# Altium PCB FC11.PcbDoc (part 1 of 2) (continued)
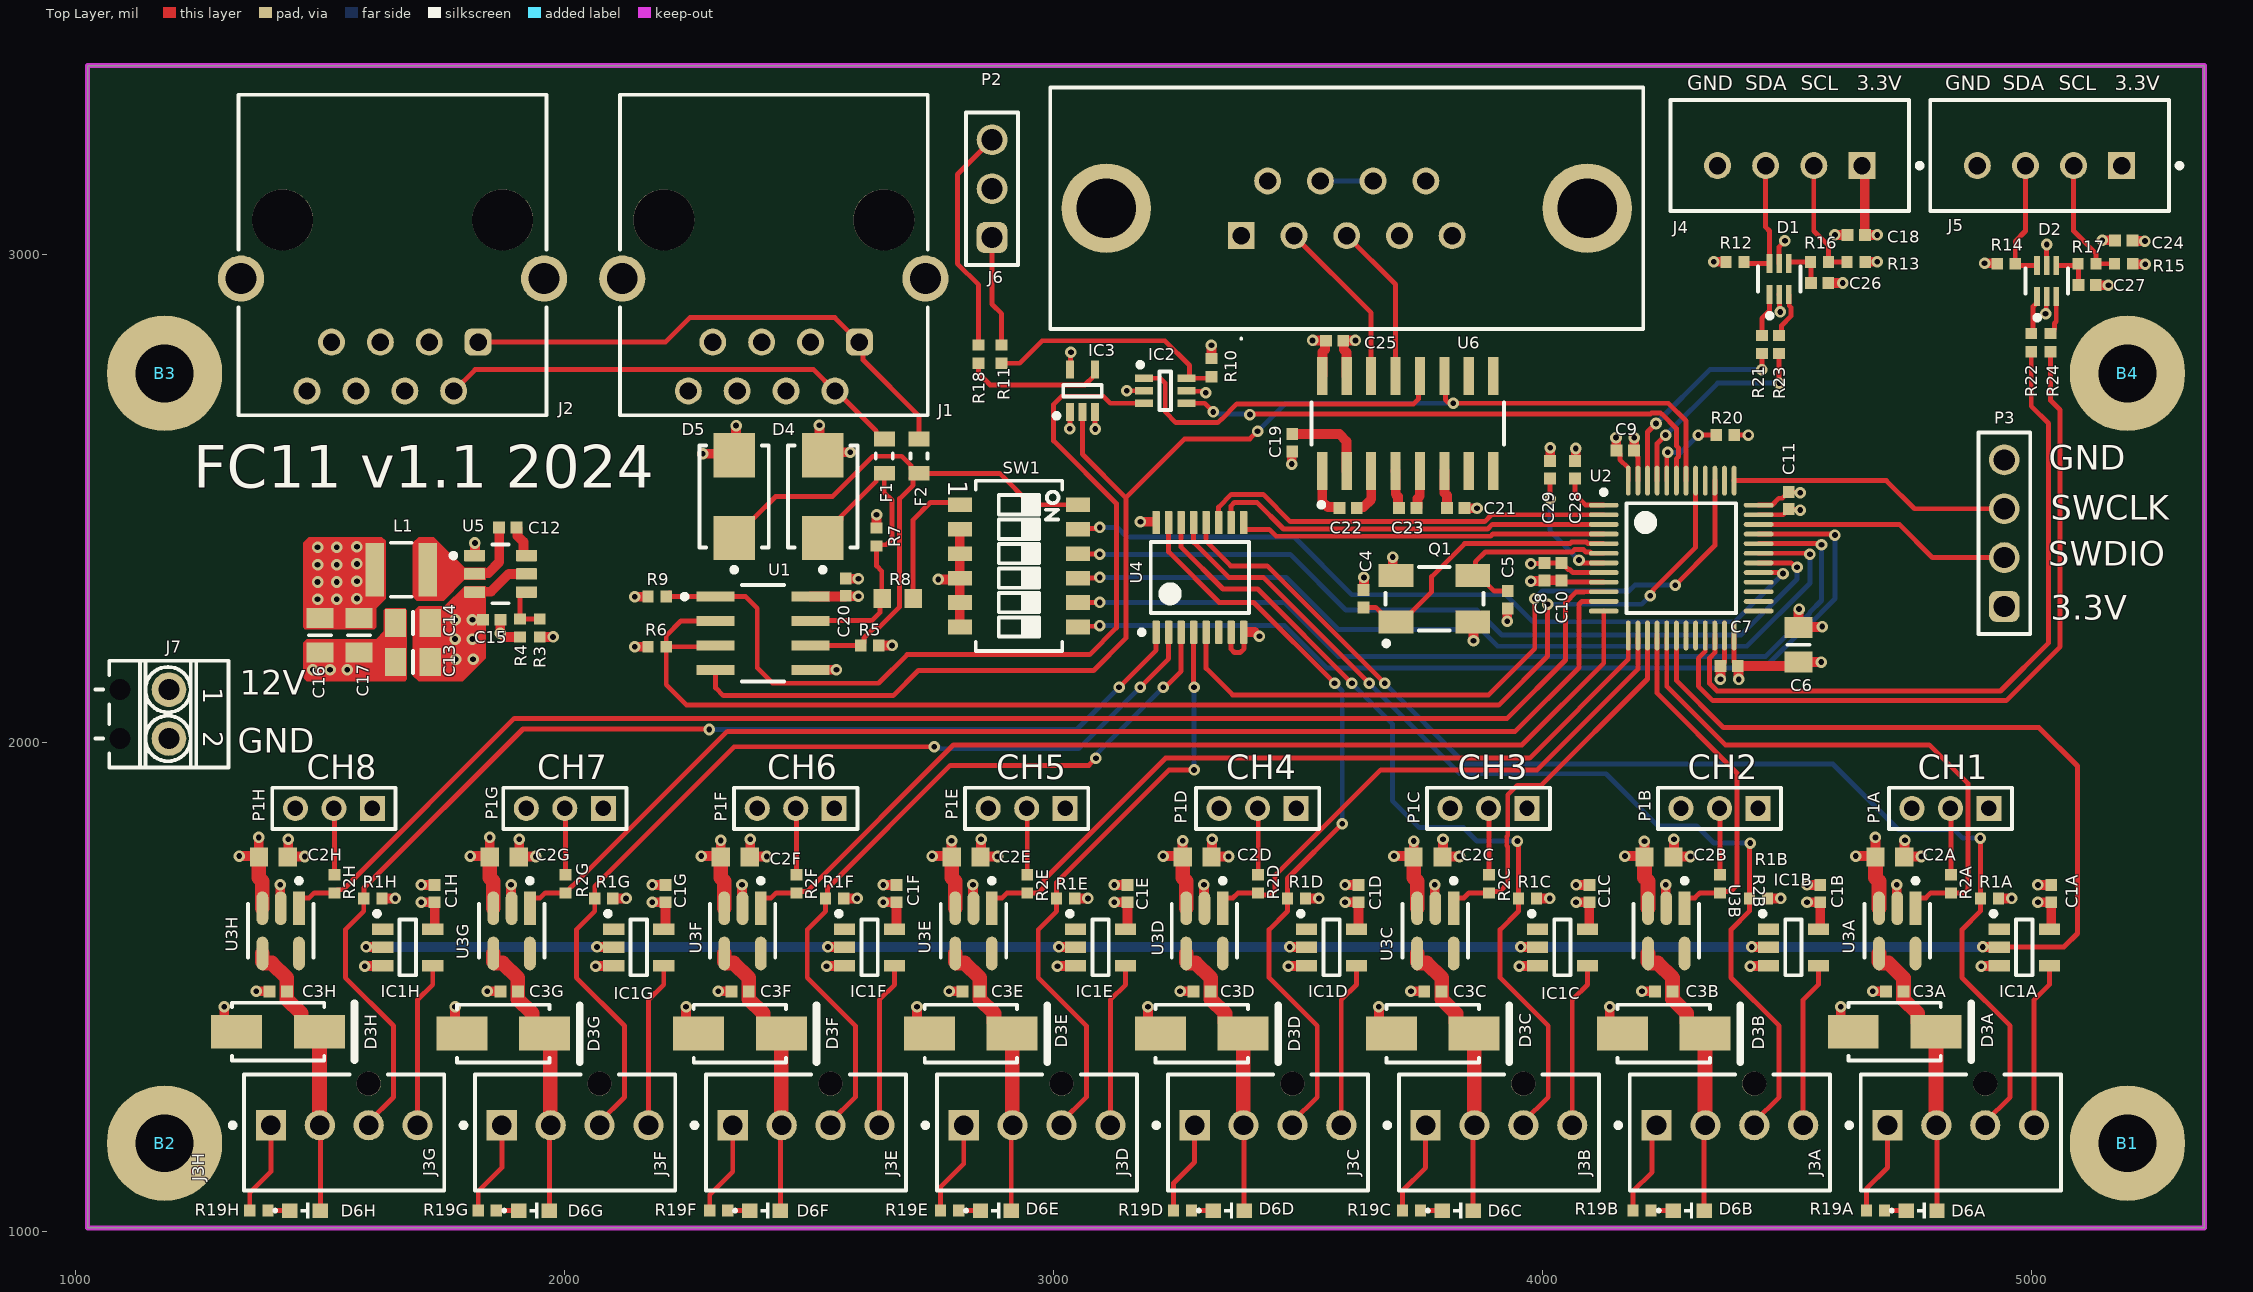
[diagram p0: Top Layer view]
## Part data
B1 B2 B3 B4: library part PLATED_HOLE3.0_PAD6.0, "Single Terminal Socket", Author="CERN DEM JLC", Component Type="Standard (No BOM)", ComponentHeight=0mm, CreateDate=26.05.2008, Family="Plated Hole", HelpURL=Undefined, LatestRevisionDate=26.05.2008, Mounted=No, PackageDescription="Plated Through Hole: Hole Dia.=3.0mm Pad Dia.=6.0mm", Part Description="Plated Through Hole: Hole Dia.=3.0mm Pad Dia.=6.0mm", Part Number=PLATED_HOLE3.0_PAD6.0, Pin Count=1, Sense=No, SMD=No, Socket=No, Status=None
C1A C1B C1C C1D C1E C1F C1G C1H C3A C3B C3C C3D C3E C3F C3G C3H C7 C8 C9 C10 C11 C12 C15 C18 C19 C20 C21 C22 C23 C24 C25 C26 C27 C28 C29: library part CC0402_100NF_16V_10%_X5R, "Non-polarised capacitor", Case=0402, Manufacturer=GENERIC, Manufacturer1 ComponentHeight=0.55mm, Manufacturer1 Example=MURATA, Manufacturer1 Part Number=GRM155R61C104KA88D, Tolerance=±10%, Voltage=16V, Author="CERN DEM JLC", Component Type=Standard, CreateDate=10.12.2013, HelpURL=\\cern.ch\dfs\Applications\Altium\Datasheets\CC0402_X5R_MURATA_GRM.pdf, LatestRevisionDate=10.12.2013, Manufacturer Part Number=CC0402_100NF_16V_10%_X5R, Mounted=Yes, Part Description="SMD Multilayer Chip Ceramic Capacitor", Part Number=CC0402_100NF_16V_10%_X5R, Pin Count=2, Sense=No, SMD=Yes, Socket=No, Status=None, TC=X5R
C2A C2B C2C C2D C2E C2F C2G C2H: library part CC0603_4.7UF_16V_10%_X5R, "Non-polarised capacitor", Case=0603, Manufacturer=GENERIC, Manufacturer1 ComponentHeight=0.95mm, Manufacturer1 Example="TAIYO YUDEN", Manufacturer1 Part Number=EMK107ABJ475KA-T, Tolerance=±10%, Voltage=16V, Author="CERN DEM JLC", Component Type=Standard, CreateDate=16.12.2013, HelpURL=\\cern.ch\dfs\Applications\Altium\Datasheets\CC0603_X7R_TAIYO-YUDEN_HIGH-VALUE.pdf, LatestRevisionDate=16.09.2014, Manufacturer Part Number=CC0603_4.7UF_16V_10%_X5R, Mounted=Yes, Part Description="SMD Multilayer Chip Ceramic Capacitor", Part Number=CC0603_4.7UF_16V_10%_X5R, Pin Count=2, Sense=No, SMD=Yes, Socket=No, Status=None, TC=X5R
C4 C5: library part CC0402_12PF_50V_5%_C0G, "Non-polarised capacitor", Case=0402, Manufacturer=GENERIC, Manufacturer1 ComponentHeight=0.55mm, Manufacturer1 Example=KEMET, Manufacturer1 Part Number=C0402C120J5GACTU, Tolerance=±5%, Voltage=50V, Author="CERN DEM JLC", Component Type=Standard, CreateDate=04.10.2016, HelpURL="\\cern.ch\dfs\Applications\Altium\Datasheets\CC0402_C0G_KEMET_(Commercial Grade).pdf", LatestRevisionDate=04.10.2016, Manufacturer Part Number=CC0402_12PF_50V_5%_C0G, Mounted=Yes, Part Description="SMD Multilayer Chip Ceramic Capacitor", Part Number=CC0402_12PF_50V_5%_C0G, Pin Count=2, Sense=No, SMD=Yes, Socket=No, Status=Preferred, TC=C0G/NP0
C6 C13 C14: library part CC0805_10UF_25V_10%_X5R, "Non-polarised capacitor", Case=0805, Manufacturer=GENERIC, Manufacturer1 ComponentHeight=0.95mm, Manufacturer1 Example=MURATA, Manufacturer1 Part Number=GRM219R61E106KA12D, Tolerance=±10%, Voltage=25V, Author="CERN DEM JLC", Component Type=Standard, CreateDate=25.10.2012, HelpURL=\\cern.ch\dfs\Applications\Altium\Datasheets\CC0805_X5R_MURATA_GRM.pdf, LatestRevisionDate=06.09.2016, Manufacturer Part Number=CC0805_10UF_25V_10%_X5R, Mounted=Yes, Part Description="SMD Multilayer Chip Ceramic Capacitor", Part Number=CC0805_10UF_25V_10%_X5R, Pin Count=2, Sense=No, SMD=Yes, Socket=No, Status=Preferred, TC=X5R
C16 C17: library part CC0805_22UF_16V_10%_X5R, "Non-polarised capacitor", Case=0805, Manufacturer=GENERIC, Manufacturer1 ComponentHeight=1.35mm, Manufacturer1 Example=TDK, Manufacturer1 Part Number=C2012X5R1C226KT, Tolerance=±10%, Voltage=16V, Author="CERN DEM JLC", Component Type=Standard, CreateDate=25.10.2012, HelpURL=\\cern.ch\dfs\Applications\Altium\Datasheets\CC0805_X5R_TDK_C.pdf, LatestRevisionDate=25.10.2012, Manufacturer Part Number=CC0805_22UF_16V_10%_X5R, Mounted=Yes, Part Description="SMD Multilayer Chip Ceramic Capacitor", Part Number=CC0805_22UF_16V_10%_X5R, Pin Count=2, Sense=No, SMD=Yes, Socket=No, Status=Preferred, TC=X5R
D1 D2: library part CMP-12225-000058-1, "TVS DIODE 5.25V 17V SOT666", Breakdown Voltage=6V, Capacitance=3.5pF, Case/Package=SOT-666, Clamping Voltage=17V, Leakage Current=150nA, Max Operating Temperature=125°C, Min Operating Temperature=-40°C, Operating Supply Voltage=5V, Package Quantity=1, Peak Pulse Current=5A, Power Line Protection=Yes, Test Current=1mA, Contact Plating=Tin, Depth=1.3mm, Direction=Unidirectional, Element Configuration=Dual, ESD Protection=Yes, Height=0.6mm, Lead Free="Lead Free", Length=1.7mm, Max Breakdown Voltage=6V, Max Reverse Leakage Current=150nA, Min Breakdown Voltage=6V, Mount="Surface Mount", Number of Bidirectional Channels=2, Number of Channels=2, Number Of Elements=1, Number of Pins=6, Packaging="Tape and Reel", Polarity=Unidirectional, Radiation Hardening=No, REACH SVHC="No SVHC", Reverse Breakdown Voltage=6V, Reverse Standoff Voltage=5V, Termination=SMD/SMT, Width=1.3mm, Working Voltage=5V
D3A D3B D3C D3D D3E D3F D3G D3H: library part CMP-2000-07149-1, "Schottky Rectifier, 700 mV, -65 to 125 degC, 2-Pin SMA, RoHS, Tape and Reel", Manufacturer=FairchildSemiconductor, Operating Temperature=-65to125°C, Package=2DO-214AC, Package Description="2-Pin Surface Mount Device, Body 4.375 x 2.725 mm", Package Reference=SMA-2, Peak Average Forward Current=1@Ta=75CA, Peak Forward Voltage=0.7V, Peak Non-Repetitive Surge Current=40A, Peak Reverse Current=200uA, Peak Reverse Repetitive Voltage=60V, Category=Rectifier, Configuration=Single, Datasheet URL=http://www.mouser.com/ds/2/149/SS16-196707.pdf, Datasheet Version="Rev. 1.9, 01/2015", Manufacturer URL=https://www.fairchildsemi.com/, Mounting=SurfaceMount, Mounting Technology=SurfaceMount, Packaging=Tape&Reel, Type=SchottkyDiode
D4 D5: "Transient Voltage Suppressor Diode (Uni-Directional)", Case=DO-214AA, Manufacturer="FAIRCHILD SEMICONDUCTOR", Power=600W, Voltage=6.5V, Author="CERN DEM MR", Bonding=No, Component Type=Standard, ComponentHeight=2.65mm, CreateDate=04.09.2017, Device=SMBJ6V5A, HelpURL=\\cern.ch\dfs\Applications\Altium\Datasheets\SMBJ.pdf, LatestRevisionDate=04.09.2017, Manufacturer Part Number=SMBJ6V5A, Mounted=Yes, PackageDescription="DO-214-AA/SMB Diode, Molded Body; 5.34mm L X 3.625mm W X 2.65mm H, IPC Medium Density", Part Description="Uni-Directional Transient Voltage Suppressor Diode", Part Number=SMBJ6V5A, Pin Count=2, PressFit=No, Sense=No, SMD=Yes, Socket=No
D6A D6B D6C D6D D6E D6F D6G D6H: library part CMP-03913-90235563-2, "150060GS55040 WL-SMCD SMT Mono-color Chip LED Diffused", Forward current=60mA, Forward Voltage=3.2V, Max Operating Temperature=85°C, Max Reverse Voltage (DC)=5V, Min Operating Temperature=-40°C, Dominant Wavelength=525nm, Height=400µm, Length=1.6mm, Luminous Intensity=430mcd, NexarPartId=90235563, Packaging="Tape and Reel", Peak Wavelength=520nm, RoHS=Compliant, Viewing Angle=140°, Wavelength=525nm, Width=800µm
F1 F2: library part CMP-08605-000028-1, "FUSE BOARD MOUNT 375MA 32VAC/VDC", Fuse Current=0.375A, Fuse Interrupt Ac Current=50A, Manufacturer=Littelfuse, Max Fuse Ac Voltage=32V, Package=467, Temperature="-55°C to +90°C", Temperature Range High=+90°C, Temperature Range Low=-55°C, Automotive=No, Category=Fuse, ComponentLink2Description=Datasheet, ComponentLink2URL=https://www.littelfuse.com/~/media/electronics/datasheets/fuses/littelfuse_fuse_467_datasheet.pdf.pdf, Device Class L1="Circuit Protection", Device Class L2=Fuses, Device Class L3=unset, Digikey Description="FUSE BOARD MOUNT 375MA 32VAC/VDC", Fuse Blow Speed=Fast, Fuse I2T=0.0035A2Sec, Fuse Interrupt Dc Current=50A, Height=0.432mm, Lead Free=Yes, Manufacturer Part Number=0467.375NR, Max Fuse Dc Voltage=32V, Mouser Description="Surface Mount Fuses 32V.375A VFA Slimline", Octopart=https://octopart.com/0467.375nr-littelfuse-565971, RoHS=TRUE, Voltage Rating=32V
IC1A IC1B IC1C IC1D IC1E IC1F IC1G IC1H: "Single Buffer/Driver With Open-Drain Output", Case=SOT23-5, Manufacturer="TEXAS INSTRUMENTS", Author="CERN DEM BC", Bonding=No, Component Type=Standard, ComponentHeight=1.45mm, CreateDate=19.02.2020, Device=SN74LVC1G07DBV, HelpURL=\\cern.ch\dfs\Applications\Altium\Datasheets\SN74LVC1G07DBV.pdf, LatestRevisionDate=19.02.2020, Manufacturer Part Number=SN74LVC1G07DBV, Mounted=Yes, PackageDescription="SOT, 0.95mm Pitch; 5 Pin, 1.60mm W X 2.90mm L X 1.45mm H body, IPC Medium Density", Part Description="Single Buffer/Driver With Open-Drain Output", Part Number=SN74LVC1G07DBV, Pin Count=5, PressFit=No, Sense=No, SMD=Yes, Socket=No
IC2: "Single 3-Input Positive-AND Gate", Case=SOT363, Manufacturer="TEXAS INSTRUMENTS", Author="CERN DEM JLC", Bonding=No, Component Type=Standard, ComponentHeight=1.1mm, CreateDate=21.07.2014, Device=SN74LVC1G11DCKR, HelpURL=\\cern.ch\dfs\Applications\Altium\Datasheets\SN74LVC1G11DCKR.pdf, LatestRevisionDate=21.07.2014, Manufacturer Part Number=SN74LVC1G11DCKR, Mounted=Yes, PackageDescription="SOT363, SC70-6, 0.65mm Pitch; 6 pin, 1.25mm W X 2.00mm L X 1.10mm H body, IPC Medium Density", Part Description="Single 3-Input Positive-AND Gate", Part Number=SN74LVC1G11DCKR, Pin Count=6, PressFit=No, Sense=No, SMD=Yes, Socket=No
IC3: "Single Bus Buffer Gate With 3-State Output", Case=SOT353, Manufacturer=NEXPERIA, Author="CERN DEM JMW", Bonding=No, Component Type=Standard, ComponentHeight=1.1mm, CreateDate=06.08.2020, Device=74HCT1G125GW, HelpURL=\\cern.ch\dfs\Applications\Altium\Datasheets\74HCT1G125GW.pdf, LatestRevisionDate=06.08.2020, Manufacturer Part Number=74HCT1G125GW, Mounted=Yes, PackageDescription="SOT353, SC70-5, 0.65mm Pitch; 5 Pin, 1.25mm W X 2.00mm L X 1.10mm H body, IPC Medium Density", Part Description="Bus Buffer/Line Driver 3-State", Part Number=74HCT1G125GW, Pin Count=5, PressFit=No, Sense=No, SMD=Yes, Socket=No
J1 J2: library part CMP-1502-01733-2, Color=Black, Contact Resistance=20mΩ, Current Rating=1.5A, Flammability Rating="UL94 V-0", Insulation Resistance=500MΩ, Max Operating Temperature=85°C, Min Operating Temperature=-40°C, Operating Supply Voltage=120V, Connector Type="RJ45, Socket", Contact Material=Copper, Contact Plating=Gold, Depth=16.4mm, Direction="User Selectable", Gender=Female, Height=16.65mm, Housing Material=PBT, Insulation Material=PBT, Lead Free="Lead Free", Length=16.65mm, Mount="Through Hole", NexarPartId=18818182, Number Of Contacts=8, Number of Ports=1, Number of Positions=8, Number of Rows=1, Orientation=Vertical, REACH SVHC=Unknown, RoHS=Compliant, Shielding=Shielded, Termination="Through Hole", Voltage Rating=120V, Voltage Rating (AC)=120V, Width=19.5mm
J3A J3B J3C J3D J3E J3F J3G J3H: library part CMP-04776-000290-2, "CONN HEADER VERT 4POS 2.54MM", Ambient Temperature Range High=105°C, Current Rating=500mA, Housing Color=Beige, Manufacturer Lifecycle Status=ACTIVE, Max Operating Temperature=75°C, Min Operating Temperature=0°C, Voltage Rating=250V, Contact Material="Brass, Copper", Contact Plating=Tin, Country of Origin=HK, Depth=5.84mm, Gender=Male, Glow Wire Compliant=Non-compliant, Halogen Free="Low Halogen", Height=7.7mm, Housing Material=Nylon, Lead Pitch=2.54mm, Length=10.2mm, Lifecycle Status=Production, Mount="Through Hole", NexarPartId=854935, Number of Circuits=4, Number Of Contacts=4, Number of Pins=4, Number of Positions=4, Number of Rows=1, Orientation=Vertical, Packaging=Bulk, Pitch=2.54mm, Plating=Copper, Radiation Hardening=No, REACH SVHC=Unknown, RoHS=Compliant, Schedule B="8536694040, 8536694040", Termination="Through Hole", Voltage Rating (DC)=250V
J4 J5: library part CMP-17439-000250-1, "CONN HEADER VERT 4POS 2.5MM", Color=Natural, Contact Resistance=20mR, Current Rating=3A, Flammability Rating="UL94 V-0", Housing Color=White, Insulation Resistance=1GR, Max Operating Temperature=85°C, Max Voltage Rating (AC)=250V, Min Operating Temperature=-25°C, Package Quantity=500, Connector Type=Header, Contact Finish - Mating=TIN, Contact Material=Brass, Contact Plating=Tin, Contact Shape=Square, Contact Type="Male Pin", Depth=5.75mm, Fastening Type=Detent, Gender=Male, Housing Material=Polyamide, Insulation Color=Natural, Insulation Material=Nylon, Lead Free="Lead Free", Lead Pitch=2.5mm, Length=12.4mm, Mated Stacking Heights=9.8mm, Material=Polyamide, Max Current Rating=3A, Max Voltage Rating (DC)=250V, Mount="Through Hole", Number Of Contacts=4, Number of Positions=4, Number of Rows=1, Orientation=Straight, Packaging=Bulk, Pitch=2.5mm, REACH SVHC="No SVHC", Series=XH, Termination=Solder, Voltage Rating=250V, Voltage Rating (AC)=250V, Wire/Cable Gauge=22AWG
J6: "D-Subminiature Economy Range, Input Output Connectors, Signal 9 way Socket Straight, Solder, 50 cycles, Harpoons + Female Screw UNC 4 - 40 + Elec cont., 1.6 mm PCB thickness", Manufacturer_Name="Amphenol Communications Solutions", Arrow Part Number=LD09S24A4GV00LF, Arrow Price/Stock=https://www.arrow.com/en/products/ld09s24a4gv00lf/amphenol-fci?region=europe, Datasheet Link=https://cdn.amphenol-cs.com/media/wysiwyg/files/drawing/10130912.pdf, Geometry.Height=12.39mm, Manufacturer_Part_Number=LD09S24A4GV00LF
J7: library part PHOENIX_1725656, "Terminal Block, 2 Positions, Screw Connection", Manufacturer="PHOENIX CONTACT", Manufacturer Part Number="1725656 (MPT 0,5/2-2,54)", Author="CERN DEM JMW", Component Type=Standard, ComponentHeight=8.5mm, CreateDate=07.11.2008, HelpURL=\\cern.ch\dfs\Applications\Altium\Datasheets\PHOENIX_1725656.pdf, LatestRevisionDate=26.04.2010, Mounted=Yes, Part Description="6A, 63V, Terminal Block, Pitch 2.54mm, 2 Positions, Screw Connection", Part Number=PHOENIX_1725656, Pin Count=2, PressFit=No, Sense=No, SMD=No, Socket=No, Status=None
L1: library part CMP-00260-130551521-1, "DFE32CAH3R3MR0L Inductor Chip Shielded Wirewound 3.3uH 20% 1MHz Metal Alloy 2.3A 1210 Emboss T/R", Case/Package=1210, Inductance=3.3µH, Max Operating Temperature=150°C, Min Operating Temperature=-55°C, RMS Current (Irms)=2.3A, Saturation Current=4.6A, Series Resistance=67mΩ, Test Frequency=1MHz, Tolerance=20%, Composition=Wirewound, Height=2mm, Lifecycle Status=Production, NexarPartId=130551521
P1A P1B P1C P1D P1E P1F P1G P1H: library part 62000311121, "WR-PHD Pin Header, THT, Vertical, pitch 2mm, 1 Row, 3P", Contact Resistance=20mΩ, Manufacturer="Wurth Elektronik", Operating Temperature Max=105°C, Operating Temperature Min=-40°C, Rated Current=2A, Withstanding Voltage=500V, Working Voltage=200V, Category="Board-to-Board Connectors", ComponentLink1Description="Website Link", ComponentLink1URL=https://www.we-online.com/redexpert/article/62000311121?ad, ComponentLink2Description="Datasheet Link", ComponentLink2URL=https://www.we-online.com/redexpert/spec/62000311121?ad, Gender="Pin Header", Manufacturer Part Number=62000311121, Match Code=WR-PHD, Mount="Through Hole", Number of Pins=3, Number of Rows=1, Orientation=Vertical, Packaging=Bag, Pitch=2mm
P2: "WR-PHD Pin Header, THT, Vertical, pitch 2.54mm, 1 Row, 3P", Contact Resistance=20mΩ, Manufacturer="Wurth Elektronik", Operating Temperature Max=105°C, Operating Temperature Min=-40°C, Rated Current=3A, Withstanding Voltage=500V, Working Voltage=250V, Category="Board-to-Board Connectors", ComponentLink1Description="Website Link", ComponentLink1URL=https://www.we-online.com/redexpert/article/61300311121?ad, ComponentLink2Description="Datasheet Link", ComponentLink2URL=https://www.we-online.com/redexpert/spec/61300311121?ad, Gender="Pin Header", Manufacturer Part Number=61300311121, Match Code=WR-PHD, Mount="Through Hole", Number of Pins=3, Number of Rows=1, Orientation=Vertical, Packaging=Bag, Pitch=2.54mm
P3: "WR-PHD Pin Header, THT, Vertical, pitch 2.54mm, 1 Row, 4P", Contact Resistance=20mΩ, Manufacturer="Wurth Elektronik", Operating Temperature Max=105°C, Operating Temperature Min=-40°C, Rated Current=3A, Withstanding Voltage=500V, Working Voltage=250V, Category="Board-to-Board Connectors", ComponentLink1Description="Website Link", ComponentLink1URL=https://www.we-online.com/redexpert/article/61300411121?ad, ComponentLink2Description="Datasheet Link", ComponentLink2URL=https://www.we-online.com/redexpert/spec/61300411121?ad, Gender="Pin Header", Manufacturer Part Number=61300411121, Match Code=WR-PHD, Mount="Through Hole", Number of Pins=4, Number of Rows=1, Orientation=Vertical, Packaging=Bag, Pitch=2.54mm
Q1: library part XTAL_12MHZ_ABRACON_ABM3B-12.000MHZ-B2-T, "Crystal 4 pins 1=XTAL Control 2=GND3=XTAL 4=GND", Manufacturer=ABRACON, Manufacturer Part Number=ABM3B-12.000MHZ-B2-T, Author="CERN DEM JLC", Bonding=No, Component Type=Standard, ComponentHeight=1.1mm, CreateDate=06.03.2012, HelpURL=\\cern.ch\dfs\Applications\Altium\Datasheets\XTAL_ABRACON_ABM3B.pdf, LatestRevisionDate=06.03.2012, Mounted=Yes, PackageDescription="ABM3B Serie, SMD Crystal, Body 5x3.2mm", Part Description="Tolerance:± 20ppm, Stability:± 50ppm, -20°C to +70°C, 18pF, Ceramic SMD Crystal, ABM3B Series", Part Number=XTAL_12MHZ_ABRACON_ABM3B-12.000MHZ-B2-T, Pin Count=2, PressFit=No, Sense=No, SMD=Yes, Socket=No
R1A R1B R1C R1D R1E R1F R1G R1H R2A R2B R2C R2D R2E R2F R2G R2H R4: library part R0402_10K_1%_0.0625W_100PPM, "Resistor - 1%", Case=0402, Manufacturer=GENERIC, Manufacturer1 ComponentHeight=0.4mm, Manufacturer1 Example="YAGEO PHYCOMP", Manufacturer1 Part Number=232270671003L, Power=0.0625W, Tolerance=±1%, Author="CERN DEM JLC", Component Type=Standard, CreateDate=03.12.2007, HelpURL=\\cern.ch\dfs\Applications\Altium\Datasheets\R0402_Phycomp_RC0402.pdf, LatestRevisionDate=17.10.2012, Manufacturer Part Number=R0402_10K_1%_0.0625W_100PPM, Mounted=Yes, Part Description="General Purpose Thick Film Chip Resistor", Part Number=R0402_10K_1%_0.0625W_100PPM, Pin Count=2, PressFit=No, Sense=No, SMD=Yes, Socket=No, Status="Not Recommended", TC=±100ppm/°C
R3 R19A R19B R19C R19D R19E R19F R19G R19H: library part R0402_33K_1%_0.0625W_100PPM, "Resistor - 1%", Case=0402, Manufacturer=GENERIC, Manufacturer1 ComponentHeight=0.4mm, Manufacturer1 Example="YAGEO PHYCOMP", Manufacturer1 Part Number=232270673303L, Power=0.0625W, Tolerance=±1%, Author="CERN DEM JLC", Component Type=Standard, CreateDate=03.12.2007, HelpURL=\\cern.ch\dfs\Applications\Altium\Datasheets\R0402_Phycomp_RC0402.pdf, LatestRevisionDate=17.10.2012, Manufacturer Part Number=R0402_33K_1%_0.0625W_100PPM, Mounted=Yes, Part Description="General Purpose Thick Film Chip Resistor", Part Number=R0402_33K_1%_0.0625W_100PPM, Pin Count=2, PressFit=No, Sense=No, SMD=Yes, Socket=No, Status="Not Recommended", TC=±100ppm/°C
R5 R6 R7 R9 R10: library part R0402_100K_1%_0.0625W_100PPM, "Resistor - 1%", Case=0402, Manufacturer=GENERIC, Manufacturer1 ComponentHeight=0.4mm, Manufacturer1 Example="YAGEO PHYCOMP", Manufacturer1 Part Number=232270671004L, Power=0.0625W, Tolerance=±1%, Author="CERN DEM JLC", Component Type=Standard, CreateDate=03.12.2007, HelpURL=\\cern.ch\dfs\Applications\Altium\Datasheets\R0402_Phycomp_RC0402.pdf, LatestRevisionDate=17.10.2012, Manufacturer Part Number=R0402_100K_1%_0.0625W_100PPM, Mounted=Yes, Part Description="General Purpose Thick Film Chip Resistor", Part Number=R0402_100K_1%_0.0625W_100PPM, Pin Count=2, PressFit=No, Sense=No, SMD=Yes, Socket=No, Status="Not Recommended", TC=±100ppm/°C
R8: library part R0603_120R_1%_0.1W_100PPM, "Resistor - 1%", Case=0603, Manufacturer=GENERIC, Manufacturer1 ComponentHeight=0.55mm, Manufacturer1 Example="NIC COMPONENT", Manufacturer1 Part Number=NRC06F1200TRF, Power=0.1W, Tolerance=±1%, Author="CERN DEM JLC", Component Type=Standard, CreateDate=03.12.2007, HelpURL=\\cern.ch\dfs\Applications\Altium\Datasheets\R0603_NIC_NRC.pdf, LatestRevisionDate=13.03.2008, Manufacturer Part Number=R0603_120R_1%_0.1W_100PPM, Mounted=Yes, Part Description="General Purpose Thick Film Chip Resistor", Part Number=R0603_120R_1%_0.1W_100PPM, Pin Count=2, PressFit=No, Sense=No, SMD=Yes, Socket=No, Status=Preferred, TC=±100ppm/°C
R11 R18 R21 R22 R23 R24: library part R0402_47R_1%_0.0625W_100PPM, "Resistor - 1%", Case=0402, Manufacturer=GENERIC, Manufacturer1 ComponentHeight=0.4mm, Manufacturer1 Example="YAGEO PHYCOMP", Manufacturer1 Part Number=232270674709L, Power=0.0625W, Tolerance=±1%, Author="CERN DEM JLC", Component Type=Standard, CreateDate=03.12.2007, HelpURL=\\cern.ch\dfs\Applications\Altium\Datasheets\R0402_Phycomp_RC0402.pdf, LatestRevisionDate=17.10.2012, Manufacturer Part Number=R0402_47R_1%_0.0625W_100PPM, Mounted=Yes, Part Description="General Purpose Thick Film Chip Resistor", Part Number=R0402_47R_1%_0.0625W_100PPM, Pin Count=2, PressFit=No, Sense=No, SMD=Yes, Socket=No, Status="Not Recommended", TC=±100ppm/°C
R12 R13 R14 R15: library part R0402_3K9_1%_0.0625W_100PPM, "Resistor - 1%", Case=0402, Manufacturer=GENERIC, Manufacturer1 ComponentHeight=0.4mm, Manufacturer1 Example="YAGEO PHYCOMP", Manufacturer1 Part Number=232270673902L, Power=0.0625W, Tolerance=±1%, Author="CERN DEM JLC", Component Type=Standard, CreateDate=03.12.2007, HelpURL=\\cern.ch\dfs\Applications\Altium\Datasheets\R0402_Phycomp_RC0402.pdf, LatestRevisionDate=17.10.2012, Manufacturer Part Number=R0402_3K9_1%_0.0625W_100PPM, Mounted=Yes, Part Description="General Purpose Thick Film Chip Resistor", Part Number=R0402_3K9_1%_0.0625W_100PPM, Pin Count=2, PressFit=No, Sense=No, SMD=Yes, Socket=No, Status="Not Recommended", TC=±100ppm/°C
R16 R17: library part R0402_150R_1%_0.0625W_100PPM, "Resistor - 1%", Case=0402, Manufacturer=GENERIC, Manufacturer1 ComponentHeight=0.4mm, Manufacturer1 Example="YAGEO PHYCOMP", Manufacturer1 Part Number=232270671501L, Power=0.0625W, Tolerance=±1%, Author="CERN DEM JLC", Component Type=Standard, CreateDate=03.12.2007, HelpURL=\\cern.ch\dfs\Applications\Altium\Datasheets\R0402_Phycomp_RC0402.pdf, LatestRevisionDate=17.10.2012, Manufacturer Part Number=R0402_150R_1%_0.0625W_100PPM, Mounted=Yes, Part Description="General Purpose Thick Film Chip Resistor", Part Number=R0402_150R_1%_0.0625W_100PPM, Pin Count=2, PressFit=No, Sense=No, SMD=Yes, Socket=No, Status="Not Recommended", TC=±100ppm/°C
R20: library part R0402_0R_JUMPER, "Resistor", Case=0402, Manufacturer=GENERIC, Manufacturer1 ComponentHeight=0.4mm, Manufacturer1 Example="YAGEO PHYCOMP", Manufacturer1 Part Number=232270591001L, Author="CERN DEM JLC", Component Type=Standard, CreateDate=03.12.2007, HelpURL=\\cern.ch\dfs\Applications\Altium\Datasheets\R0402_Phycomp_RC0402.pdf, LatestRevisionDate=17.10.2012, Manufacturer Part Number=R0402_0R_JUMPER, Mounted=Yes, Part Description="1A (0.05R Max DC Resistance) Zero Ohm Jumper", Part Number=R0402_0R_JUMPER, Pin Count=2, PressFit=No, Sense=No, SMD=Yes, Socket=No, Status="Not Recommended"
SW1: library part SW_OMRON_A6H-6102, "6 Ways SPST DIP Switch", Manufacturer=OMRON, Manufacturer Part Number=A6H-6102, Author="CERN DEM JLC", Component Type=Standard, ComponentHeight=1.45mm, CreateDate=01.02.2018, Family=Switch, HelpURL=\\cern.ch\dfs\Applications\Altium\Datasheets\SW_OMRON_A6H-6102.pdf, LatestRevisionDate=01.02.2018, Mounted=Yes, PackageDescription="Pitch 1.27mm, Body 8.85 x 4.5mm, 6 Ways SPST Surface-Mounting DIP Switch, OMRON A6H", Part Description="6 Ways Ultra-low Profile, Half-pitch, SPST DIP Switch With Seal Tape, Rating 25mA 24VDC", Part Number=SW_OMRON_A6H-6102, Pin Count=12, PressFit=No, Sense=No, SMD=Yes, Socket=No, Status=None
U1: library part CMP-05679-000020-1, "IC TXRX RS485/422 10MBPS 8SOIC", Manufacturer="Maxim Integrated", Max Junction Temp=+160°C, Max Supply Voltage=3.6V, Min Supply Voltage=3V, Nominal Supply Current=0.95-1.1mA, Package=S8-5, Temperature="-40°C to +85°C", Temperature Range High=+85°C, Temperature Range Low=-40°C, Automotive=No, Category=IC, ComponentLink2Description=Datasheet, ComponentLink2URL=https://datasheets.maximintegrated.com/en/ds/MAX3483-MAX3491.pdf, Data Rate=10Mbits/s, Device Class L1="Integrated Circuits (ICs)", Device Class L2="Interface ICs", Device Class L3="RS-232 / RS-422 / RS-485 Interface ICs", Digikey Description="IC TXRX RS485/422 10MBPS 8SOIC", Footprint Url=https://pdfserv.maximintegrated.com/land_patterns/90-0096.PDF, Height=1.75mm, Interface=RS-485,RS-422, Lead Free=Yes, Manufacturer Part Number=MAX3485ESA+, Mouser Description="3.3V Powered, 10Mbps and Slew-Rate Limited, True RS-485/RS-422 Transceivers", Number Of Receivers=1, Number Of Transmitters=1, Octopart=https://octopart.com/max3485esa%2B-maxim+integrated-39731860, RoHS=TRUE, Simplex Duplex="Half Duplex", Standoff Height=0.1mm
U2: library part CMP-0236-00052-2, "ARM Cortex-M3 32-bit MCU, 256 KB Flash, 32 KB Internal RAM, 37 I/Os, 48-pin LQFP, -40 to 85 degC, Tray", I/Os (High Current)=37, Operating Frequency(F) (Processor speed) (MHz)=32, Supply Voltage(Vcc) min (V)=1.65, ComponentLink1Description="Manufacturer URL", ComponentLink1URL=http://www.st.com/web/en/home.html, ComponentLink2Description=Datasheet, ComponentLink2URL=http://www.st.com/st-web-ui/static/active/en/resource/technical/document/datasheet/DM00048356.pdf, ComponentLink3Description="Package Specification", ComponentLink3URL=http://www.st.com/st-web-ui/static/active/en/resource/technical/document/datasheet/DM00058181.pdf, Core="ARM Cortex-M3", D/A Converter="2x12-bit (2 Channel)", Data E2PROM nom (B)=8192, DatasheetVersion="Rev. 3", FLASH Size (Prog) (kB)=256, Internal RAM Size (kB)=32, Mounting Technology="Surface Mount", PackageDescription="48-Pin Low Profile Quad Flat Package, 7 x 7 mm Body, 0.5 mm Pitch", PackageReference=LQFP48, PackageVersion="Rev. 6, 06/2013", Packing=Tray, PartNumber=STM32L151CCT6
U3A U3B U3C U3D U3E U3F U3G U3H: library part CMP-06317-000031-1, "IC PWR SWITCH P-CHAN 1:1 SOT23-5", Case/Package=SOT-23, Current Rating=2.5A, Max Input Voltage=800mV, Max Operating Temperature=85°C, Max Output Current=1.2A, Max Supply Voltage=13.5V, Min Input Voltage=0V, Min Operating Temperature=-40°C, Min Supply Voltage=3V, Nominal Supply Current=95uA, On-State Resistance=950mR, On-state Resistance-Max=2.4R, Package Quantity=3000, Fault Protection="Over Temperature", Height=1.1mm, Interface=On/Off, Lead Free="Lead Free", Length=2.9mm, Mount="Surface Mount", Number of Inputs=1, Number of Outputs=1, Number of Pins=5, Output Configuration="High Side", Packaging="Tape and Reel", Radiation Hardening=No, Rated Current-Max=2.5A, REACH SVHC="No SVHC", RoHS Compliant=Yes, Series=IttyBitty®, Supply Current=95uA, Width=1.6mm
U4: library part CMP-1633-00864-2, "8-Line To 1-Line Data Selectors/Multiplexers, PW0016A, TUBE", F @ Nom Voltage(Max)(Mhz)=28, Generic Part Number=SN74HC151, ICC @ Nom Voltage(Max)(mA)=0.08, Manufacturer="Texas Instruments", Operating Temperature Range(C)="-40 to 85", Rating=Catalog, tpd @ Nom Voltage(Max)(ns)=63, Voltage(Nom)(V)=3.3,5, Bits(#)=8, Channels(#)=1, Code_JEDEC=MO-153, Configuration=8：1, DatasheetVersion=SCLS110E, Function=Encoder/Multiplexer, Input Type=LVTTL/CMOS, Output Drive (IOL/IOH)(Max)(mA)=7.8/-7.8, Output Type=CMOS, PackageReference=PW0016A, Schmitt Trigger=No, Technology Family=HC, Type=Standard, VCC(Max)(V)=6, VCC(Min)(V)=2
U5: library part CMP-04918-000010-1, "IC REG BUCK ADJ 2A TSOT23-6", Manufacturer="Texas Instruments", Max Junction Temp=+125°C, Max Supply Voltage=17V, Min Supply Voltage=4.5V, Nominal Supply Current=380uA, Output Current=2A, Output Voltage=0.76-7V, Package=DDC0006A, Switching Frequency=580kHz, Temperature="-40°C to +125°C", Temperature Range Low=-40°C, Automotive=No, Category=IC, ComponentLink2Description=Datasheet, ComponentLink2URL=http://www.ti.com/lit/ds/symlink/tps562201.pdf, Device Class L1="Integrated Circuits (ICs)", Device Class L2="Power Management ICs", Device Class L3="Voltage Regulators - Switching", Digikey Description="IC REG BUCK ADJ 2A TSOT23-6", Height=1.1mm, Lead Free=Yes, Manufacturer Part Number=TPS562201DDCT, Max Duty Cycle=80%, Mouser Description="Conv DC-DC 4.5V to 17V Synchronous Step Down Single-Out 0.76V to 7V 2A 6-Pin TSOT-23 T/R", Number of Outputs=1, Octopart=https://octopart.com/tps562201ddct-texas+instruments-68059584, Output Type=AdjustableProgrammable, RoHS=TRUE, Standoff Height=0mm, Switching Topology=Buck, Temperature Range High=+125°C
U6: library part CMP-2000-06662-2, "IC TXRX RS-232 LP 16SOIC", Manufacturer="Maxim Integrated", Max Supply Voltage=5.5V, Min Supply Voltage=3V, Nominal Supply Current=0.3mA, Package=S16-1, Temperature="0°C to +70°C", Temperature Range High=+70°C, Temperature Range Low=0°C, Automotive=No, Category=IC, ComponentLink2Description=Datasheet, ComponentLink2URL=https://www.maximintegrated.com/en/ds/MAX3222-MAX3241.pdf, Data Rate=235kbits/s, Device Class L1="Integrated Circuits (ICs)", Device Class L2="Interface ICs", Device Class L3="RS-232 / RS-422 / RS-485 Interface ICs", Digikey Description="IC TXRX RS-232 LP 16SOIC", Footprint Url=https://pdfserv.maximintegrated.com/land_patterns/90-0097.PDF, Height=1.75mm, Interface=RS-232, Ipc Land Pattern Name=SOIC127P600X155-16, Lead Free=Yes, Manufacturer Part Number=MAX3232CSE+T, Mouser Description="RS-232 Interface IC 3-5.5V 235kbps Transceiver", Number Of Receivers=2, Number Of Transmitters=2, Octopart=https://octopart.com/max3232cse%2Bt-maxim+integrated-39731899, RoHS=TRUE, Simplex Duplex="Full Duplex", Standoff Height=0.1mm

## Via types
v1: diameter 23.62, hole 11.81, Top Layer to Bottom Layer, tented both sides, 218 vias

## Nets (pads, with @x,y where several pads share a name; then routed paths per layer and width w, separated by ;. In a path a pad name is that pad's centre, name@x,y a point inside that pad or via, vN(x,y) a via of type N, cw(c..) or ccw(c..) an arc to the next point about the centre after c; other vN are vias at no path point)
EN1: R2H.2 U2.10 U3H.1 | length 3014.6
  Top Layer w10: U3H.1@1456.14,1661.85 1456.14,1675.99 1463.15,1683 1477.29,1683 1487.64,1693.35 R2H.2@1528.74,1693.35 1535.16,1699.76 1546.22,1699.76 1896.86,2050.4 3927.96,2050.4 4047.24,2169.69 4047.24,2287.4 4068.91,2309.06 4084.82,2309.06 4085.01,2309.25 U2.10@4125.35,2309.25
EN2: R2G.2 U2.11 U3G.1 | length 2541.4
  Top Layer w10: U3G.1@1928.58,1661.85 1928.58,1675.99 1935.59,1683 1949.73,1683 1960.08,1693.35 R2G.2@2001.18,1693.35 2001.97,1693.35 2008.39,1699.76 2008.39,1700.55 2016.77,1708.94 2017.53,1708.94 2332.21,2023.62 3944.44,2023.62 4074.8,2153.98 4074.8,2283.46 4080.91,2289.57 U2.11@4125.35,2289.57
EN3: R2F.2 U2.12 U3F.1 | length 2046.9
  Top Layer w10: U3F.1@2401.02,1661.85 2401.02,1675.99 2408.03,1683 2422.17,1683 2432.52,1693.35 R2F.2@2473.62,1693.35 2476.03,1695.76 2494.97,1695.76 2795.02,1995.8 3957.79,1995.8 4125.35,2163.36 U2.12@4125.35,2269.88
EN4: R2E.2 U2.13 U3E.1 | length 1579.2
  Top Layer w10: U3E.1@2873.46,1661.85 2873.46,1675.99 2880.47,1683 2894.61,1683 2904.96,1693.35 R2E.2@2946.06,1693.35 2968.94,1693.35 2980.32,1704.72 2980.32,1720.47 3228.91,1969.07 3973.62,1969.07 4175.55,2170.99 U2.13@4175.55,2219.69
EN5: R2D.2 U2.14 U3D.1 | length 1151
  Top Layer w10: U3D.1@3345.91,1661.85 3345.91,1675.99 3352.91,1683 3367.05,1683 3377.4,1693.35 R2D.2@3418.5,1693.35 3422.87,1688.98 3444.88,1688.98 3452.76,1696.85 3452.76,1728.35 3669.29,1944.88 3989.21,1944.88 4195.24,2150.91 U2.14@4195.24,2219.69
EN6: R2C.2 U2.15 U3C.1 | length 795.8
  Top Layer w10: U3C.1@3818.35,1661.85 3818.35,1675.99 3825.35,1683 3839.49,1683 3849.84,1693.35 R2C.2@3890.94,1693.35 3893.35,1695.76 3912.29,1695.76 3929.13,1712.6 3929.13,1788.05 3927.01,1790.18 3927.01,1808.25 3929.13,1810.37 3929.13,1893.7 3948.82,1913.39 3997.49,1913.39 4214.92,2130.82 U2.15@4214.92,2219.69
EN7: R2B.2 U2.16 U3B.1 | length 713.2
  Top Layer w10: U2.16@4234.61,2219.69 4234.61,2101.69 4397.8,1938.5 4397.8,1854.49 4397.64,1854.33 4397.64,1708.66 4384.73,1695.76 4365.8,1695.76 R2B.2@4363.39,1693.35 4322.28,1693.35 4311.93,1683 4297.79,1683 4290.79,1675.99 U3B.1@4290.79,1661.85
EN8: R2A.2 U2.17 U3A.1 | length 1149.8
  Top Layer w10: U2.17@4254.29,2219.69 4254.29,2115.79 4374.02,1996.06 4791.34,1996.06 4870.24,1917.17 4870.24,1700.94 4862.64,1693.35 R2A.2@4835.83,1693.35 4794.72,1693.35 4784.37,1683 4770.23,1683 4763.23,1675.99 U3A.1@4763.23,1661.85